# Altium PCB roach2.PcbDoc (part 23 of 39)
Units mil, origin at the board's own origin, x right, y up, seen from the top; angles counter-clockwise.
Board outline 12007.87 x 9606.3 mil, 16 copper layers (L1_TOP, L2_G, L3_S, L4_G, L5_S, L6_P, L7_G, L8_R, L9_R, L10_P, L11_P, L12_S, L13_P, L14_S, L15_G, L16_BOT), stack 81.651 mil thick; 1608 components, 1934 nets, 9335 pads, 6759 vias.
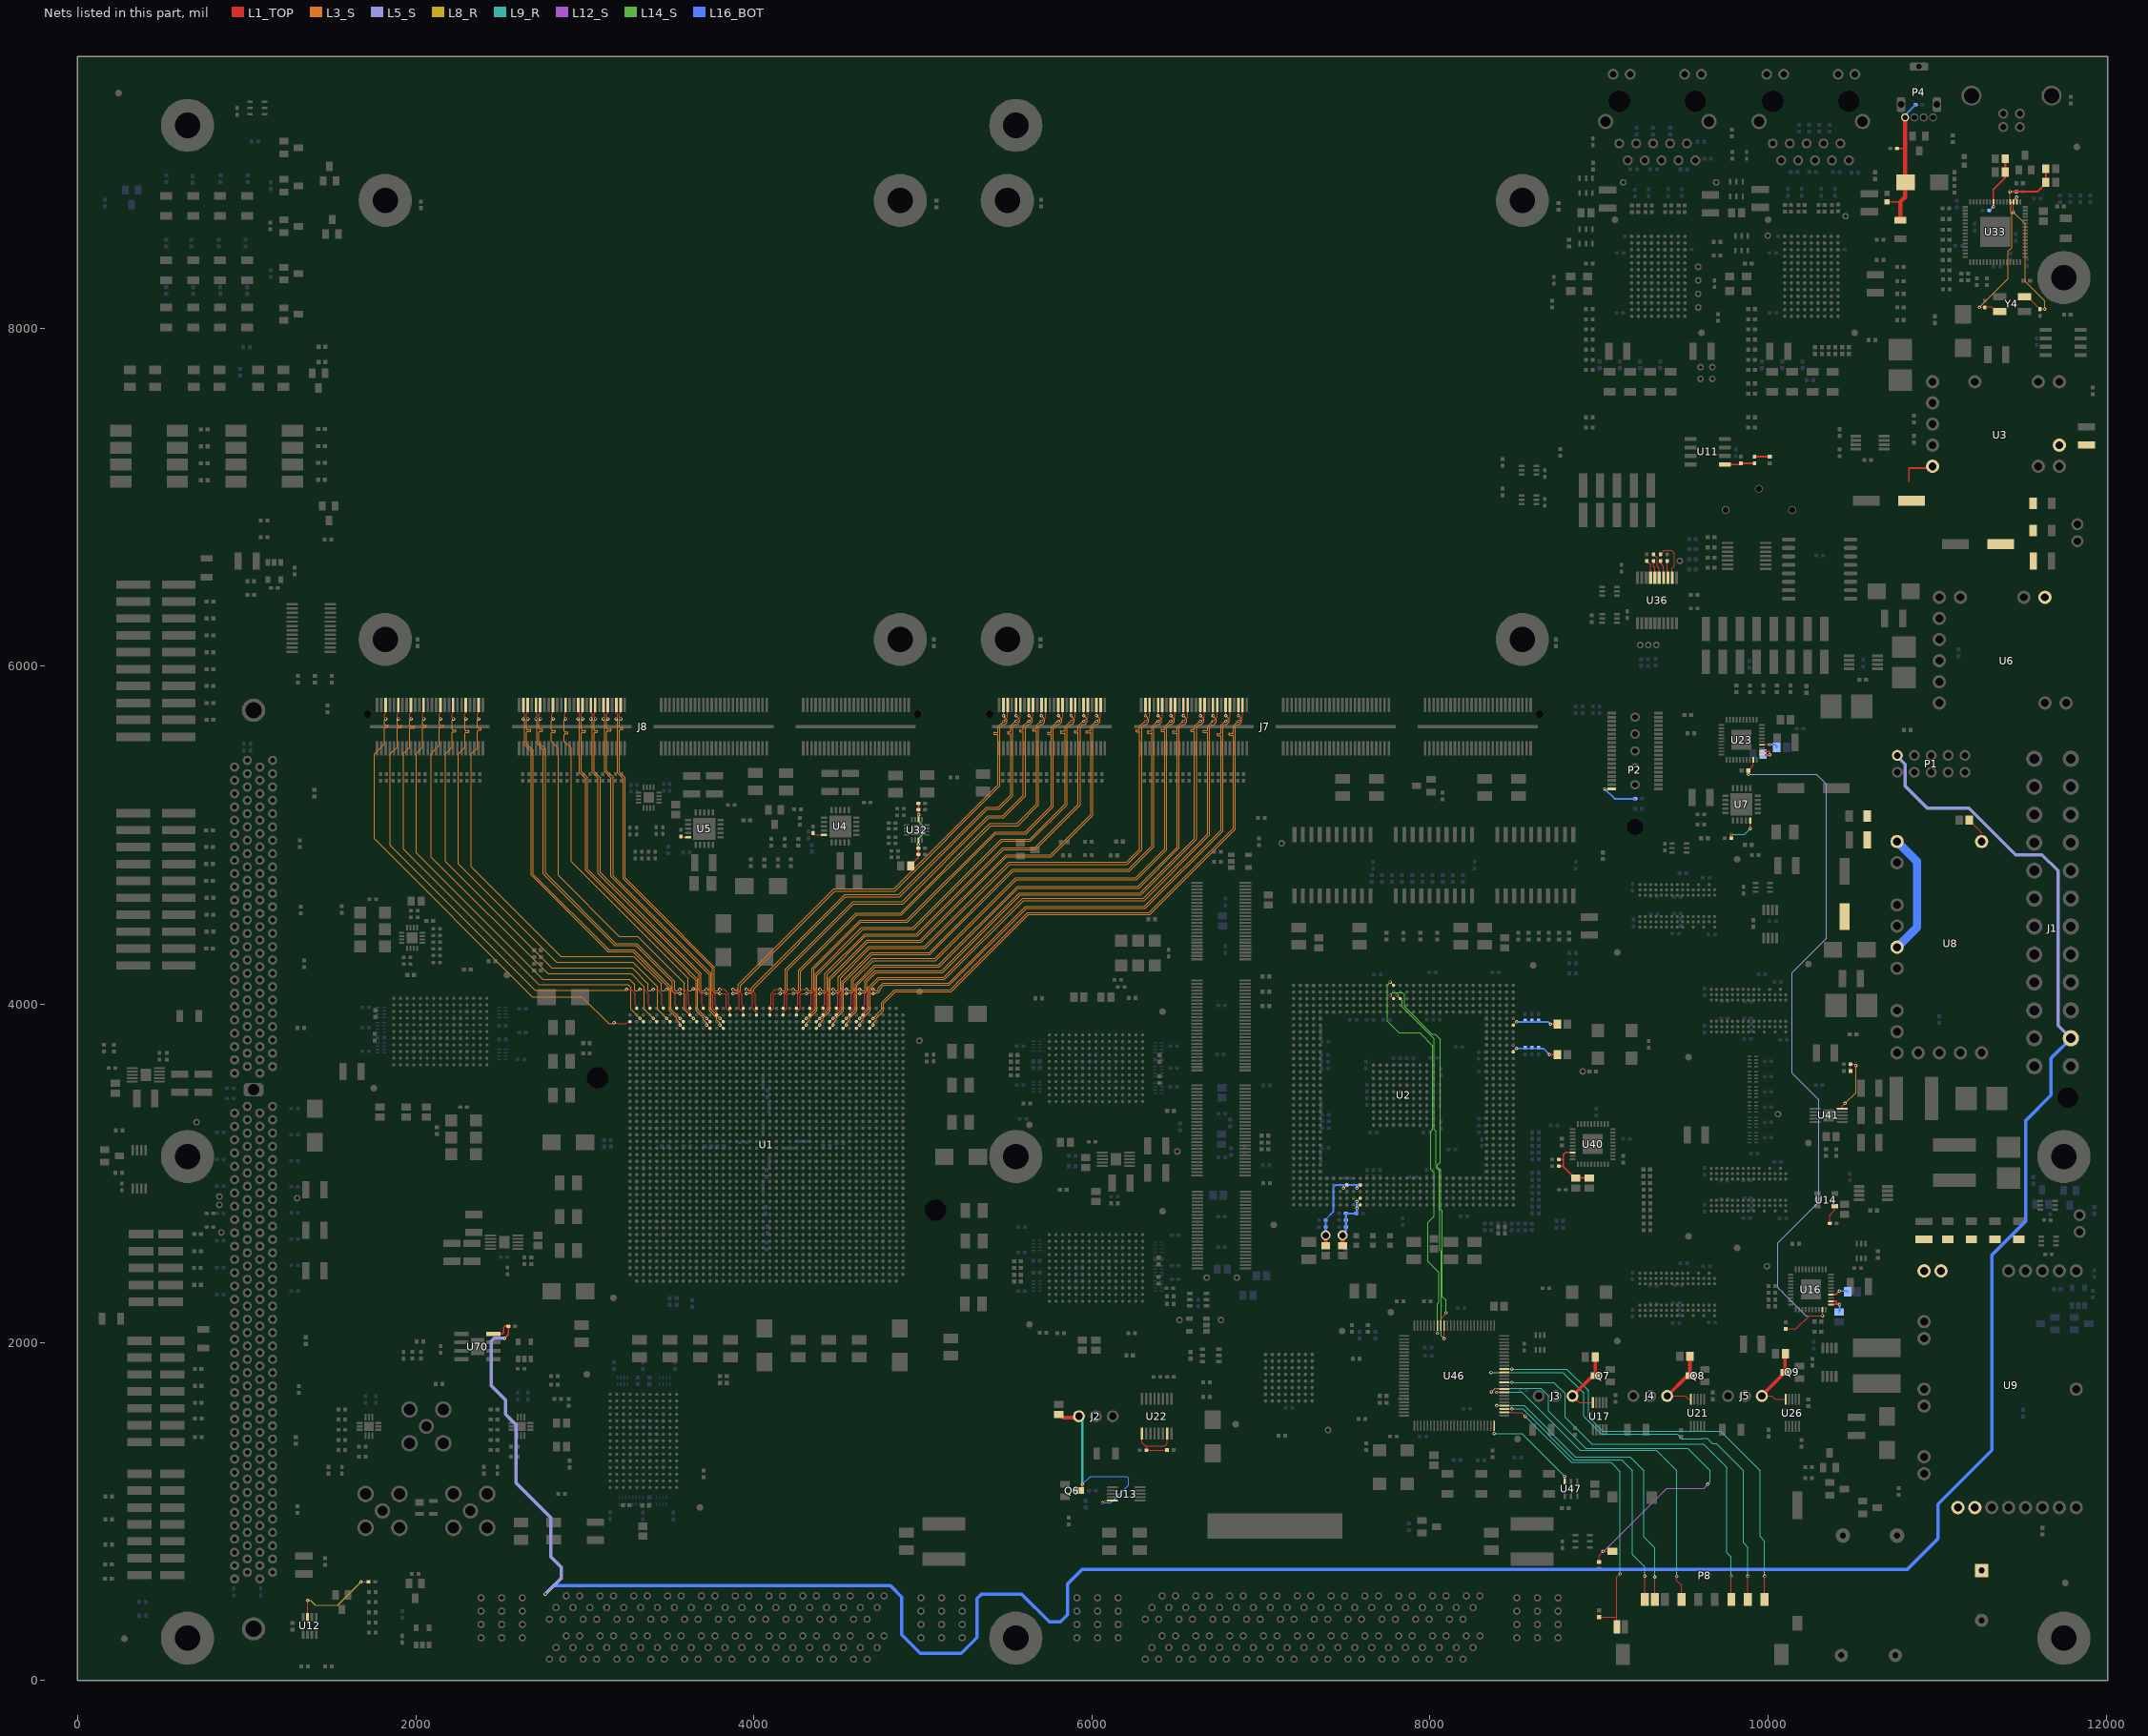
[diagram p37: the nets of this part, all layers, seen from the top]

## Via types
v1: diameter 19.4, hole 10, L1_TOP to L16_BOT, tented both sides, 3354 vias
v2: diameter 19.4, hole 10, L1_TOP to L16_BOT, 1884 vias
v3: diameter 19.4, hole 10, L1_TOP to L16_BOT, tented top, 410 vias
v4: diameter 18.6, hole 10, L1_TOP to L16_BOT, tented both sides, 311 vias
v5: diameter 59.06, hole 39.37, L1_TOP to L16_BOT, 217 vias
v6: diameter 19, hole 10, L1_TOP to L16_BOT, 198 vias
v7: diameter 19.4, hole 10.04, L1_TOP to L16_BOT, 125 vias
v8: diameter 19.4, hole 10, L1_TOP to L16_BOT, tented bottom, 80 vias
v9: diameter 25.98, hole 12.99, L1_TOP to L16_BOT, tented top, 59 vias
v10: diameter 20, hole 10, L1_TOP to L16_BOT, 52 vias
v11: diameter 59.06, hole 39.37, L1_TOP to L16_BOT, tented top, 44 vias
v12: diameter 20, hole 10, L1_TOP to L16_BOT, tented top, 16 vias
v13: diameter 19, hole 10, L1_TOP to L16_BOT, tented top, 5 vias
v14: diameter 50, hole 28, L1_TOP to L16_BOT, 4 vias

## Nets (pads, with @x,y where several pads share a name; then routed paths per layer and width w, separated by ;. In a path a pad name is that pad's centre, name@x,y a point inside that pad or via, vN(x,y) a via of type N, cw(c..) or ccw(c..) an arc to the next point about the centre after c; other vN are vias at no path point) (continued)
MGT_TX_N10: J8.B19 U1.AN2 | length 2323.1
  L1_TOP w5: v3(2710.08,5688.98) 2717.95,5696.85 2717.95,5716.54 2711.44,5723.05 J8.B19@2711.44,5770.49 ; v1(3562.21,4063.99) 3591,4063.99 3599.21,4055.78 3599.21,3976.1 3622.05,3953.27 U1.AN2@3622.05,3937.01
  L3_S w3.8: v3(2710.08,5688.98) 2717.19,5681.86 2717.19,5542.79 2755.19,5504.79 2755.19,4770.79 3176.99,4348.99 3300.3,4348.99 3519.41,4129.88 3519.41,4078.1 3528.52,4068.99 3549.21,4068.99 3554.21,4063.99 v1(3562.21,4063.99)
MGT_TX_N11: J8.B17 U1.AP4 | length 2397.1
  L1_TOP w5: v3(2635.08,5688.98) 2642.95,5696.85 2642.95,5716.54 2636.44,5723.05 J8.B17@2636.44,5770.49 ; v1(3562.99,3877.95) U1.AP4@3582.68,3858.27
  L3_S w3.8: v3(2635.08,5688.98) 2643.04,5681.02 2643.04,5657.15 2643.19,5656.99 2643.19,5536.79 2683.19,5496.79 2683.19,4764.79 3136.99,4310.99 3284.47,4310.99 3500.47,4094.99 3500.47,3962.87 3543.29,3920.05 3543.29,3909.16 3562.99,3889.46 v1(3562.99,3877.95)
MGT_TX_N12: J8.B31 U1.AG2 | length 2150.5
  L1_TOP w5: v3(3185.08,5688.98) 3192.95,5696.85 3192.95,5716.54 3186.44,5723.05 J8.B31@3186.44,5770.49 ; v1(3798.43,4063.99) 3827.22,4063.99 3835.43,4055.78 3835.43,3976.1 3858.27,3953.27 U1.AG2@3858.27,3937.01
  L3_S w3.8: v3(3185.08,5688.98) 3192.99,5681.06 3192.99,5368.99 3226.99,5334.99 3226.99,4743.52 3395.43,4575.08 3755.53,4214.99 3755.53,4093.09 3755.43,4092.99 3755.43,4080.99 3767.43,4068.99 3785.43,4068.99 3790.43,4063.99 v1(3798.43,4063.99)
MGT_TX_N13: J8.B29 U1.AH4 | length 2211.8
  L1_TOP w5: v3(3110.08,5688.98) 3117.95,5696.85 3117.95,5716.54 3111.44,5723.05 J8.B29@3111.44,5770.49 ; v1(3799.21,3877.95) U1.AH4@3818.9,3858.27
  L3_S w3.8: v3(3110.08,5688.98) 3117.54,5681.52 3117.54,5376.45 3155.19,5338.79 3155.19,4756.1 3702.99,4208.3 3702.99,4206.99 3736.69,4173.29 3736.69,3962.87 3779.51,3920.05 3779.51,3909.16 3799.21,3889.46 v1(3799.21,3877.95)
MGT_TX_N14: J8.B27 U1.AJ2 | length 2179.9
  L1_TOP w5: v3(3035.08,5688.98) 3042.95,5696.85 3042.95,5716.54 3036.44,5723.05 J8.B27@3036.44,5770.49 ; v1(3719.69,4063.99) 3748.48,4063.99 3756.69,4055.78 3756.69,3976.1 3779.53,3953.27 U1.AJ2@3779.53,3937.01
  L3_S w3.8: v3(3035.08,5688.98) 3042.99,5681.06 3042.99,5373.19 3079.19,5336.99 3079.19,4774.79 3676.69,4177.29 3676.69,4080.99 3688.69,4068.99 3706.69,4068.99 3711.69,4063.99 v1(3719.69,4063.99)
MGT_TX_N15: J8.B25 U1.AK4 | length 2241.3
  L1_TOP w5: v3(2960.08,5688.98) 2967.95,5696.85 2967.95,5716.54 2961.44,5723.05 J8.B25@2961.44,5770.49 ; v1(3720.47,3877.95) U1.AK4@3740.16,3858.27
  L3_S w3.8: v3(2960.08,5688.98) 2967.19,5681.86 2967.19,5372.79 3005.19,5334.79 3005.19,4794.1 3614.99,4184.3 3614.99,4182.99 3657.95,4140.03 3657.95,3962.87 3700.77,3920.05 3700.77,3909.16 3720.47,3889.46 v1(3720.47,3877.95)
MGT_TX_N16: J7.A23 U1.W2 | length 2774.2
  L1_TOP w5: U1.W2@4173.23,3937.01 4173.23,3953.27 4196.06,3976.1 4196.06,4055.78 4204.28,4063.99 v1(4233.06,4063.99) ; J7.A23@5701.28,5770.49 5701.99,5769.78 v3(5701.99,5706.99)
  L3_S w3.8: v1(4233.06,4063.99) 4241.06,4063.99 4246.06,4068.99 4264.06,4068.99 4276.06,4080.99 4276.06,4196.06 4608.99,4528.99 4872.99,4528.99 5400.99,5056.99 5561.88,5056.99 5684.79,5179.9 5684.79,5645.39 5686.6,5647.19 ; 5684.8,5645.18 5696.61,5656.99 5708.88,5656.99 5721.59,5669.7 5721.59,5687.39 v3(5701.99,5706.99)
MGT_TX_N17: J7.A21 U1.AA2 | length 2749.7
  L1_TOP w5: U1.AA2@4094.49,3937.01 4094.49,3953.27 4117.32,3976.1 4117.32,4055.78 4125.54,4063.99 v1(4154.32,4063.99) ; J7.A21@5626.28,5770.49 5626.99,5769.78 v3(5626.99,5706.99)
  L3_S w3.8: v1(4154.32,4063.99) 4162.32,4063.99 4167.32,4068.99 4185.32,4068.99 4197.32,4080.99 4197.32,4092.99 4197.22,4093.09 4197.22,4201.22 4590.99,4594.99 4881.68,4594.99 5389.34,5102.65 5476.65,5102.65 5606.45,5232.45 5606.45,5590.99 ; 5606.79,5586.99 5606.79,5623.19 ; 5606.99,5622.99 5606.79,5623.19 ; v3(5626.99,5706.99) 5646.59,5687.39 5646.59,5669.7 5633.88,5656.99 5621.61,5656.99 5606.79,5642.18 5606.79,5623.19
MGT_TX_N18: J7.A19 U1.AC2 | length 2803.4
  L1_TOP w5: v1(3955.91,4063.99) 3984.7,4063.99 3992.91,4055.78 3992.91,3976.1 4015.75,3953.27 U1.AC2@4015.75,3937.01 ; v3(5551.99,5706.99) J7.A19@5551.99,5769.78
  L3_S w3.8: v1(3955.91,4063.99) 3963.91,4063.99 3968.91,4068.99 3986.91,4068.99 3998.91,4080.99 3998.91,4092.99 4542.91,4636.99 4863.68,4636.99 5381.68,5154.99 5451.88,5154.99 5530.99,5234.1 5530.99,5464.79 5530.89,5464.89 5530.89,5634.99 ; 5530.99,5634.99 5530.89,5634.99 ; v3(5551.99,5706.99) 5571.59,5687.39 5571.59,5669.7 5559.28,5657.39 5547.01,5657.39 5530.89,5641.28 5530.89,5634.99
MGT_TX_N19: J7.A17 U1.AE2 | length 2791.1
  L1_TOP w5: v1(3877.17,4063.99) 3905.96,4063.99 3914.17,4055.78 3914.17,3976.1 3937.01,3953.27 U1.AE2@3937.01,3937.01 ; v3(5476.99,5706.99) J7.A17@5476.99,5769.78
  L3_S w3.8: v1@3869.17,4063.99 v1(3877.17,4063.99) 3885.17,4063.99 3890.17,4068.99 3908.17,4068.99 3920.17,4080.99 3920.17,4112.17 4478.99,4670.99 4834.43,4670.99 5456.79,5293.36 5456.79,5637.89 5474.29,5655.39 5485.11,5655.39 5496.59,5666.87 5496.59,5683.11 5476.99,5702.71 v3(5476.99,5706.99)
MGT_TX_N20: J7.A31 U1.P4 | length 2962.5
  L1_TOP w5: U1.P4@4370.08,3858.27 v1(4389.76,3877.95) ; J7.A31@6026.28,5770.49 6026.99,5769.78 v3(6026.99,5706.99)
  L3_S w3.8: v1(4389.76,3877.95) 4389.76,3889.46 4409.46,3909.16 4409.46,3920.05 4452.28,3962.87 4452.28,4146.28 4674.09,4368.09 4990.78,4368.09 5495.68,4872.99 5759.88,4872.99 6004.79,5117.9 6004.79,5640.18 6020.61,5655.99 6032.88,5655.99 6046.59,5669.7 6046.59,5687.39 v3(6026.99,5706.99)
MGT_TX_N21: J7.A29 U1.R2 | length 2851.2
  L1_TOP w5: U1.R2@4330.71,3937.01 4330.71,3953.27 4353.54,3976.1 4353.54,4055.78 4361.76,4063.99 v1(4390.54,4063.99) ; J7.A29@5951.28,5770.49 5951.99,5769.78 v3(5951.99,5706.99)
  L3_S w3.8: v1(4390.54,4063.99) 4398.54,4063.99 4403.54,4068.99 4421.54,4068.99 4433.54,4080.99 4433.54,4092.99 4433.44,4093.09 4433.44,4176.99 4661.44,4404.99 4967.68,4404.99 5477.34,4914.65 5666.65,4914.65 5930.79,5178.79 5930.79,5641.18 5947.01,5657.39 5959.28,5657.39 5971.59,5669.7 5971.59,5687.39 v3(5951.99,5706.99)
MGT_TX_N22: J7.A27 U1.T4 | length 2868.1
  L1_TOP w5: U1.T4@4291.34,3858.27 v1(4311.02,3877.95) ; J7.A27@5876.28,5770.49 5876.99,5769.78 v3(5876.99,5706.99)
  L3_S w3.8: v1(4311.02,3877.95) 4311.02,3889.46 4330.72,3909.16 4330.72,3920.05 4373.54,3962.87 4373.54,4171.54 4644.99,4442.99 4946.99,4442.99 5468.99,4964.99 5636.99,4964.99 5852.99,5180.99 5852.99,5470.99 5852.89,5471.09 5852.89,5638.28 5872.01,5657.39 5884.28,5657.39 5896.59,5669.7 5896.59,5687.39 v3(5876.99,5706.99)
MGT_TX_N23: J7.A25 U1.U2 | length 2797.9
  L1_TOP w5: U1.U2@4251.97,3937.01 4251.97,3953.27 4274.8,3976.1 4274.8,4055.78 4283.02,4063.99 v1(4311.8,4063.99) ; J7.A25@5801.28,5770.49 5801.99,5769.78 v3(5801.99,5706.99)
  L3_S w3.8: v1(4311.8,4063.99) 4319.8,4063.99 4324.8,4068.99 4342.8,4068.99 4354.8,4080.99 4354.8,4208.8 4632.99,4486.99 4908.99,4486.99 5430.99,5008.99 5609.88,5008.99 5770.99,5170.1 5770.99,5476.99 5770.89,5477.09 5770.89,5631.28 5797.01,5657.39 5809.28,5657.39 5821.59,5669.7 5821.59,5687.39 v3(5801.99,5706.99)
MGT_TX_N24: J7.B23 U1.K4 | length 3410.8
  L1_TOP w5: U1.K4@4527.56,3858.27 v1(4547.24,3877.95) ; J7.B23@6541.28,5770.49 6541.99,5769.78 v3(6541.99,5706.99)
  L3_S w3.8: v1(4547.24,3877.95) 4547.24,3889.46 4566.94,3909.16 4566.94,3920.05 4609.76,3962.87 4609.76,4111.08 4719.68,4220.99 4730.99,4220.99 4731.09,4221.09 5097.78,4221.09 5563.34,4686.65 6278.65,4686.65 6516.99,4924.99 6516.99,5637.38 6537.01,5657.39 6549.28,5657.39 6561.59,5669.7 6561.59,5687.39 v3(6541.99,5706.99)
MGT_TX_N25: J7.B21 U1.L2 | length 3341
  L1_TOP w5: U1.L2@4488.19,3937.01 4488.19,3953.27 4511.02,3976.1 4511.02,4055.78 4519.24,4063.99 v1(4548.02,4063.99) ; J7.B21@6466.28,5770.49 6466.99,5769.78 v3(6466.99,5706.99)
  L3_S w3.8: v1(4548.02,4063.99) 4556.02,4063.99 4561.02,4068.99 4579.02,4068.99 4591.02,4080.99 4591.02,4092.99 4590.92,4093.09 4590.92,4142.99 4706.92,4258.99 5075.88,4258.99 5554.08,4737.19 6263.88,4737.19 6442.99,4916.3 6442.99,5638.38 6462.01,5657.39 6474.28,5657.39 6486.59,5669.7 6486.59,5687.39 v3(6466.99,5706.99)
MGT_TX_N26: J7.B19 U1.M4 | length 3343.4
  L1_TOP w5: U1.M4@4448.82,3858.27 v1(4468.5,3877.95) ; J7.B19@6391.28,5770.49 6391.99,5769.78 v3(6391.99,5706.99)
  L3_S w3.8: v1(4468.5,3877.95) 4468.5,3889.46 4488.2,3909.16 4488.2,3920.05 4531.02,3962.87 4531.02,4125.02 4700.99,4294.99 5041.78,4294.99 5533.98,4787.19 6221.88,4787.19 6366.99,4932.3 6366.99,5637.38 6386.61,5656.99 6398.88,5656.99 6411.59,5669.7 6411.59,5687.39 v3(6391.99,5706.99)
MGT_TX_N27: J7.B17 U1.N2 | length 3280.2
  L1_TOP w5: U1.N2@4409.45,3937.01 4409.45,3953.27 4432.28,3976.1 4432.28,4055.78 4440.5,4063.99 v1(4469.28,4063.99) ; J7.B17@6316.28,5770.49 6316.99,5769.78 v3(6316.99,5706.99)
  L3_S w3.8: v1(4469.28,4063.99) 4477.28,4063.99 4482.28,4068.99 4500.28,4068.99 4512.28,4080.99 4512.28,4092.99 4512.18,4093.09 4512.18,4156.99 4686.18,4330.99 5015.68,4330.99 5513.68,4828.99 6209.68,4828.99 6294.99,4914.3 6294.99,5640.38 6311.61,5656.99 6323.88,5656.99 6336.59,5669.7 6336.59,5687.39 v3(6316.99,5706.99)
MGT_TX_N28: J7.B31 U1.F4 | length 3455.2
  L1_TOP w5: U1.F4@4685.04,3858.27 v1(4704.73,3877.95) ; J7.B31@6866.28,5770.49 6866.99,5769.78 v3(6866.99,5706.99)
  L3_S w3.8: v1(4704.73,3877.95) 4704.73,3889.46 4724.43,3909.16 4724.43,3920.05 4767.24,3962.87 4767.24,4005.24 4836.99,4074.99 5167.88,4074.99 5624.08,4531.19 6343.88,4531.19 6848.79,5036.1 6848.79,5644.18 6861.61,5656.99 6873.88,5656.99 6886.59,5669.7 6886.59,5687.39 v3(6866.99,5706.99)
MGT_TX_N29: J7.B29 U1.G2 | length 3418.7
  L1_TOP w5: U1.G2@4645.67,3937.01 4645.67,3953.27 4668.5,3976.1 4668.5,4055.78 4676.72,4063.99 v1(4705.5,4063.99) ; J7.B29@6791.28,5770.49 6791.99,5769.78 v3(6791.99,5706.99)
  L3_S w3.8: v1(4705.5,4063.99) 4713.5,4063.99 4718.5,4068.99 4736.5,4068.99 4748.5,4080.99 4748.5,4092.99 4768.5,4112.99 5157.88,4112.99 5612.08,4567.19 6315.88,4567.19 6774.79,5026.1 6774.79,5645.18 6786.61,5656.99 6798.88,5656.99 6811.59,5669.7 6811.59,5687.39 v3(6791.99,5706.99)
MGT_TX_N30: J7.B27 U1.H4 | length 3456
  L1_TOP w5: U1.H4@4606.3,3858.27 v1(4625.99,3877.95) ; J7.B27@6716.28,5770.49 6716.99,5769.78 v3(6716.99,5706.99)
  L3_S w3.8: v1(4625.99,3877.95) 4625.99,3889.46 4645.69,3909.16 4645.69,3920.05 4688.5,3962.87 4688.5,4093.82 4741.68,4146.99 4760.99,4146.99 4761.09,4147.09 5127.78,4147.09 5595.34,4614.65 6308.65,4614.65 6696.45,5002.45 6696.45,5467.54 ; 6696.45,5471.76 6696.45,5467.54 ; 6696.99,5466.99 6696.45,5467.54 ; v3@6716.54,5704.72 6736.14,5685.12 6736.14,5668.89 6722.24,5654.99 6711.42,5654.99 6696.34,5639.91 6696.34,5467.65 6696.45,5467.54
MGT_TX_N31: J7.B25 U1.J2 | length 3398
  L1_TOP w5: U1.J2@4566.93,3937.01 4566.93,3953.27 4589.76,3976.1 4589.76,4055.78 4597.98,4063.99 v1(4626.76,4063.99) ; J7.B25@6641.28,5770.49 6641.99,5769.78 v3(6641.99,5706.99)
  L3_S w3.8: v1(4626.76,4063.99) 4634.76,4063.99 4639.76,4068.99 4657.76,4068.99 4669.76,4080.99 4669.76,4092.99 4669.66,4093.09 4669.66,4134.99 4721.66,4186.99 5115.88,4186.99 5576.08,4647.19 6289.88,4647.19 6618.79,4976.1 6618.79,5639.18 6636.61,5656.99 6648.88,5656.99 6661.59,5669.7 6661.59,5687.39 v3(6641.99,5706.99)
MGT_TX_P0: J8.A24 U1.AW1 | length 2766.8
  L1_TOP w5: J8.A24@2046.28,5770.49 2046.28,5723.05 2044.16,5720.93 2043.7,5720.47 2039.76,5716.54 2039.76,5696.85 v3(2047.64,5688.98) ; v1(3325.99,4087.99) 3351.99,4087.99 3377.99,4061.99 3377.99,3996.83 3385.83,3988.99 U1.AW1@3385.83,3976.38
  L3_S w3.8: v3(2047.64,5688.98) 2047.64,5685.84 2040.79,5678.99 2040.79,5658 ccw(c2046.69,5658) 2046.69,5652.1 2056.67,5652.1 cw(c2056.67,5646.2) 2062.57,5646.2 cw(c2056.67,5646.2) 2056.67,5640.3 2046.69,5640.3 ccw(c2046.69,5634.4) 2040.79,5634.4 2040.79,5520.79 2004.99,5484.99 2004.99,4895.68 2751.88,4148.79 3263.88,4148.79 3294.99,4117.68 3294.99,4082.99 3298.99,4078.99 3312.99,4078.99 3321.99,4087.99 v1(3325.99,4087.99)
MGT_TX_P1: J8.A22 U1.AY3 | length 2839.2
  L1_TOP w5: J8.A22@1971.28,5770.49 1971.28,5723.05 1969.16,5720.93 1968.7,5720.47 1964.76,5716.54 1964.76,5696.85 v3(1972.64,5688.98) ; v1(3326.77,3917.32) U1.AY3@3346.46,3897.64
  L3_S w3.8: v3(1972.64,5688.98) 1964.99,5681.33 1964.99,5652 ccw(c1970.89,5652) 1970.89,5646.1 1987.63,5646.1 cw(c1987.63,5640.2) 1993.53,5640.2 cw(c1987.63,5640.2) 1987.63,5634.3 1970.89,5634.3 ccw(c1970.89,5628.4) 1964.99,5628.4 1964.99,5520.99 1928.99,5484.99 1928.99,4916.99 2729.09,4116.89 3230.89,4116.89 3230.99,4116.99 3254.99,4116.99 3272.99,4098.99 3272.99,3971.1 v1(3326.77,3917.32)
MGT_TX_P2: J8.A20 U1.BA1 | length 2811.9
  L1_TOP w5: J8.A20@1896.28,5770.49 1896.28,5723.05 1894.16,5720.93 1893.7,5720.47 1889.76,5716.54 1889.76,5696.85 v3(1897.64,5688.98) ; v1(3247.25,4087.99) 3273.25,4087.99 3299.25,4061.99 3299.25,3996.83 3307.09,3988.99 U1.BA1@3307.09,3976.38
  L3_S w3.8: v3(1897.64,5688.98) 1890.79,5682.13 1890.79,5654 ccw(c1896.69,5654) 1896.69,5648.1 1911.66,5648.1 cw(c1911.66,5642.2) 1917.56,5642.2 cw(c1911.66,5642.2) 1911.66,5636.3 1896.69,5636.3 ccw(c1896.69,5630.4) 1890.79,5630.4 1890.79,5522.79 1848.99,5480.99 1848.99,4939.89 2706.99,4081.89 3241.15,4081.89 v1(3247.25,4087.99) v1@3243.25,4087.99
MGT_TX_P3: J8.A18 U1.BB3 | length 2816.2
  L1_TOP w5: 1814.96,5696.18 1814.96,5712.96 1820.99,5718.99 1820.99,5770.2 J8.A18@1821.28,5770.49 ; v1@3178.99,3889.99 3179.79,3889.19 3196.25,3889.19 3199.99,3885.45 3242.81,3885.45 3254.99,3897.64 U1.BB3@3267.72,3897.64
  L3_S w3.8: v3(1822.16,5688.98) 1814.99,5681.81 1814.99,5658 ccw(c1820.89,5658) 1820.89,5652.1 1830.13,5652.1 cw(c1830.13,5646.2) 1836.03,5646.2 cw(c1830.13,5646.2) 1830.13,5640.3 1820.89,5640.3 ccw(c1820.89,5634.4) 1814.99,5634.4 1814.99,5540.99 1754.99,5480.99 1754.99,4978.99 2688.99,4044.99 2982.81,4044.99 3142.99,3884.81 3167.15,3884.81 v1(3173.17,3890.83)
MGT_TX_P4: J8.A32 U1.AR1 | length 2650.7
  L1_TOP w5: J8.A32@2371.28,5770.49 2371.28,5723.05 2369.16,5720.93 2368.7,5720.47 2364.76,5716.54 2364.76,5696.85 v3(2372.64,5688.98) ; v1(3483.47,4087.99) 3509.47,4087.99 3535.47,4061.99 3535.47,3996.83 3543.31,3988.99 U1.AR1@3543.31,3976.38
  L3_S w3.8: v3(2372.64,5688.98) 2364.99,5681.33 2364.99,5639.4 ccw(c2370.89,5639.4) 2370.89,5633.5 2380.54,5633.5 cw(c2380.54,5627.6) 2386.44,5627.6 cw(c2380.54,5627.6) 2380.54,5621.7 2370.89,5621.7 ccw(c2370.89,5615.8) 2364.99,5615.8 2364.99,5516.99 2328.99,5480.99 2328.99,4813.68 2857.88,4284.79 3289.88,4284.79 3452.47,4122.2 3452.47,4082.99 3456.47,4078.99 3470.47,4078.99 3479.47,4087.99 v1(3483.47,4087.99)
MGT_TX_P5: J8.A30 U1.AT3 | length 2720.8
  L1_TOP w5: J8.A30@2296.28,5770.49 2296.28,5723.05 2294.16,5720.93 2293.7,5720.47 2289.76,5716.54 2289.76,5696.85 v3(2297.64,5688.98) ; v1(3484.25,3917.32) U1.AT3@3503.94,3897.64
  L3_S w3.8: v3(2297.64,5688.98) 2290.99,5682.33 2290.99,5625.4 ccw(c2296.89,5625.4) 2296.89,5619.5 2309.59,5619.5 cw(c2309.59,5613.6) 2315.49,5613.6 cw(c2309.59,5613.6) 2309.59,5607.7 2296.89,5607.7 ccw(c2296.89,5601.8) 2290.99,5601.8 2290.99,5520.99 2250.99,5480.99 2250.99,4830.99 2833.09,4248.89 3268.89,4248.89 3268.99,4248.99 3284.99,4248.99 3431.73,4102.25 3431.73,3969.84 v1(3484.25,3917.32)
MGT_TX_P6: J8.A28 U1.AU1 | length 2712.9
  L1_TOP w5: J8.A28@2221.28,5770.49 2221.28,5723.05 2219.16,5720.93 2218.7,5720.47 2214.76,5716.54 2214.76,5696.85 v3(2222.64,5688.98) ; v1(3404.73,4087.99) 3430.73,4087.99 3456.73,4061.99 3456.73,3996.83 3464.57,3988.99 U1.AU1@3464.57,3976.38
  L3_S w3.8: 2214.79,5648.99 2214.79,5646.99 ; v3(2222.64,5688.98) 2222.64,5686.64 2214.99,5678.99 2214.99,5647.19 2214.79,5646.99 ; v1(3404.73,4087.99) 3400.73,4087.99 3391.73,4078.99 3377.73,4078.99 3373.73,4082.99 3373.73,4120.94 3279.88,4214.79 2805.88,4214.79 2176.99,4843.68 2176.99,5482.99 2214.79,5520.79 2214.79,5605.8 cw(c2220.69,5605.8) 2220.69,5611.7 2232.54,5611.7 ccw(c2232.54,5617.6) 2238.44,5617.6 ccw(c2232.54,5617.6) 2232.54,5623.5 2220.69,5623.5 cw(c2220.69,5629.4) 2214.79,5629.4 2214.79,5646.99
MGT_TX_P7: J8.A26 U1.AV3 | length 2787
  L1_TOP w5: J8.A26@2146.28,5770.49 2146.28,5723.05 2144.16,5720.93 2143.7,5720.47 2139.76,5716.54 2139.76,5696.85 v3(2147.64,5688.98) ; v1(3405.51,3917.32) U1.AV3@3425.2,3897.64
  L3_S w3.8: v3(2147.64,5688.98) 2147.64,5687.64 2138.79,5678.79 2138.79,5656 ccw(c2144.69,5656) 2144.69,5650.1 2159.26,5650.1 cw(c2159.26,5644.2) 2165.16,5644.2 cw(c2159.26,5644.2) 2159.26,5638.3 2144.69,5638.3 ccw(c2144.69,5632.4) 2138.79,5632.4 2138.79,5532.79 2090.99,5484.99 2090.99,4870.99 2781.09,4180.89 3264.89,4180.89 3264.99,4180.99 3274.99,4180.99 3352.99,4102.99 3352.99,3969.84 v1(3405.51,3917.32)
MGT_TX_P8: J8.B24 U1.AL1 | length 2225.8
  L1_TOP w5: J8.B24@2886.28,5770.49 2886.28,5723.05 2884.16,5720.93 2883.7,5720.47 2879.76,5716.54 2879.76,5696.85 v3(2887.64,5688.98) ; v1@3640.95,4087.99 3640.99,4088.03 v1(3640.99,4091.99) ; v1@3640.99,4087.99 3666.95,4087.99 3692.95,4061.99 3692.95,3996.83 3700.79,3988.99 U1.AL1@3700.79,3976.38
  L3_S w3.8: v3(2887.64,5688.98) 2887.64,5687.64 2878.79,5678.79 2878.79,5617.4 ccw(c2884.69,5617.4) 2884.69,5611.5 2894.84,5611.5 cw(c2894.84,5605.6) 2900.74,5605.6 cw(c2894.84,5605.6) 2894.84,5599.7 2884.69,5599.7 ccw(c2884.69,5593.8) 2878.79,5593.8 2878.79,5556.08 2918.99,5515.88 2918.99,4843.68 3609.95,4152.72 3609.95,4082.99 3613.95,4078.99 3627.95,4078.99 3636.95,4087.99 v1@3640.95,4087.99
MGT_TX_P9: J8.B22 U1.AM3 | length 2344.8
  L1_TOP w5: J8.B22@2811.28,5770.49 2811.28,5723.05 2809.16,5720.93 2808.7,5720.47 2804.76,5716.54 2804.76,5696.85 v3(2812.64,5688.98) ; v1(3641.73,3917.32) U1.AM3@3661.42,3897.64
  L3_S w3.8: v3(2812.64,5688.98) 2812.64,5688.82 2801.34,5677.52 2801.34,5627.4 ccw(c2807.24,5627.4) 2807.24,5621.5 2821.07,5621.5 cw(c2821.07,5615.6) 2826.97,5615.6 cw(c2821.07,5615.6) 2821.07,5609.7 2807.24,5609.7 ccw(c2807.24,5603.8) 2801.34,5603.8 2801.34,5555.34 2842.99,5513.68 2842.99,4762.99 3203.19,4402.79 3311.88,4402.79 3543.34,4171.34 3542.99,4170.99 3589.21,4124.77 3589.21,3969.84 v1(3641.73,3917.32)
MGT_TX_P10: J8.B20 U1.AN1 | length 2323.1
  L1_TOP w5: J8.B20@2736.28,5770.49 2736.28,5723.05 2734.16,5720.93 2733.7,5720.47 2729.76,5716.54 2729.76,5696.85 v3(2737.64,5688.98) ; v1(3562.21,4087.99) 3588.21,4087.99 3614.21,4061.99 3614.21,3996.83 3622.05,3988.99 U1.AN1@3622.05,3976.38
  L3_S w3.8: v3(2737.64,5688.98) 2737.64,5688.82 2728.99,5680.17 2728.99,5633.4 ccw(c2734.89,5633.4) 2734.89,5627.5 2744.91,5627.5 cw(c2744.91,5621.6) 2750.81,5621.6 cw(c2744.91,5621.6) 2744.91,5615.7 2734.89,5615.7 ccw(c2734.89,5609.8) 2728.99,5609.8 2728.99,5547.68 2766.99,5509.68 2766.99,4775.68 3181.88,4360.79 3305.19,4360.79 3531.21,4134.77 3531.21,4082.99 3533.9,4082.99 3537.9,4078.99 3549.21,4078.99 3558.21,4087.99 v1(3562.21,4087.99)
MGT_TX_P11: J8.B18 U1.AP3 | length 2397.1
  L1_TOP w5: J8.B18@2661.28,5770.49 2661.28,5723.05 2659.16,5720.93 2658.7,5720.47 2654.76,5716.54 2654.76,5696.85 v3(2662.64,5688.98) ; v1(3562.99,3917.32) U1.AP3@3582.68,3897.64
  L3_S w3.8: v3(2662.64,5688.98) 2654.99,5681.33 2654.99,5631.4 ccw(c2660.89,5631.4) 2660.89,5625.5 2675.72,5625.5 cw(c2675.72,5619.6) 2681.62,5619.6 cw(c2675.72,5619.6) 2675.72,5613.7 2660.89,5613.7 ccw(c2660.89,5607.8) 2654.99,5607.8 2654.99,5541.68 2694.99,5501.68 2694.99,4769.68 3141.88,4322.79 3289.36,4322.79 3511.41,4100.74 3511.41,4094.49 3510.47,4094.49 3510.47,3969.84 v1(3562.99,3917.32)
MGT_TX_P12: J8.B32 U1.AG1 | length 2150.5
  L1_TOP w5: J8.B32@3211.28,5770.49 3211.28,5723.05 3209.16,5720.93 3208.7,5720.47 3204.76,5716.54 3204.76,5696.85 v3(3212.64,5688.98) ; v1(3798.43,4087.99) 3824.43,4087.99 3850.43,4061.99 3850.43,3996.83 3858.27,3988.99 U1.AG1@3858.27,3976.38